# KiCad board motherboard.kicad_pcb (continued)
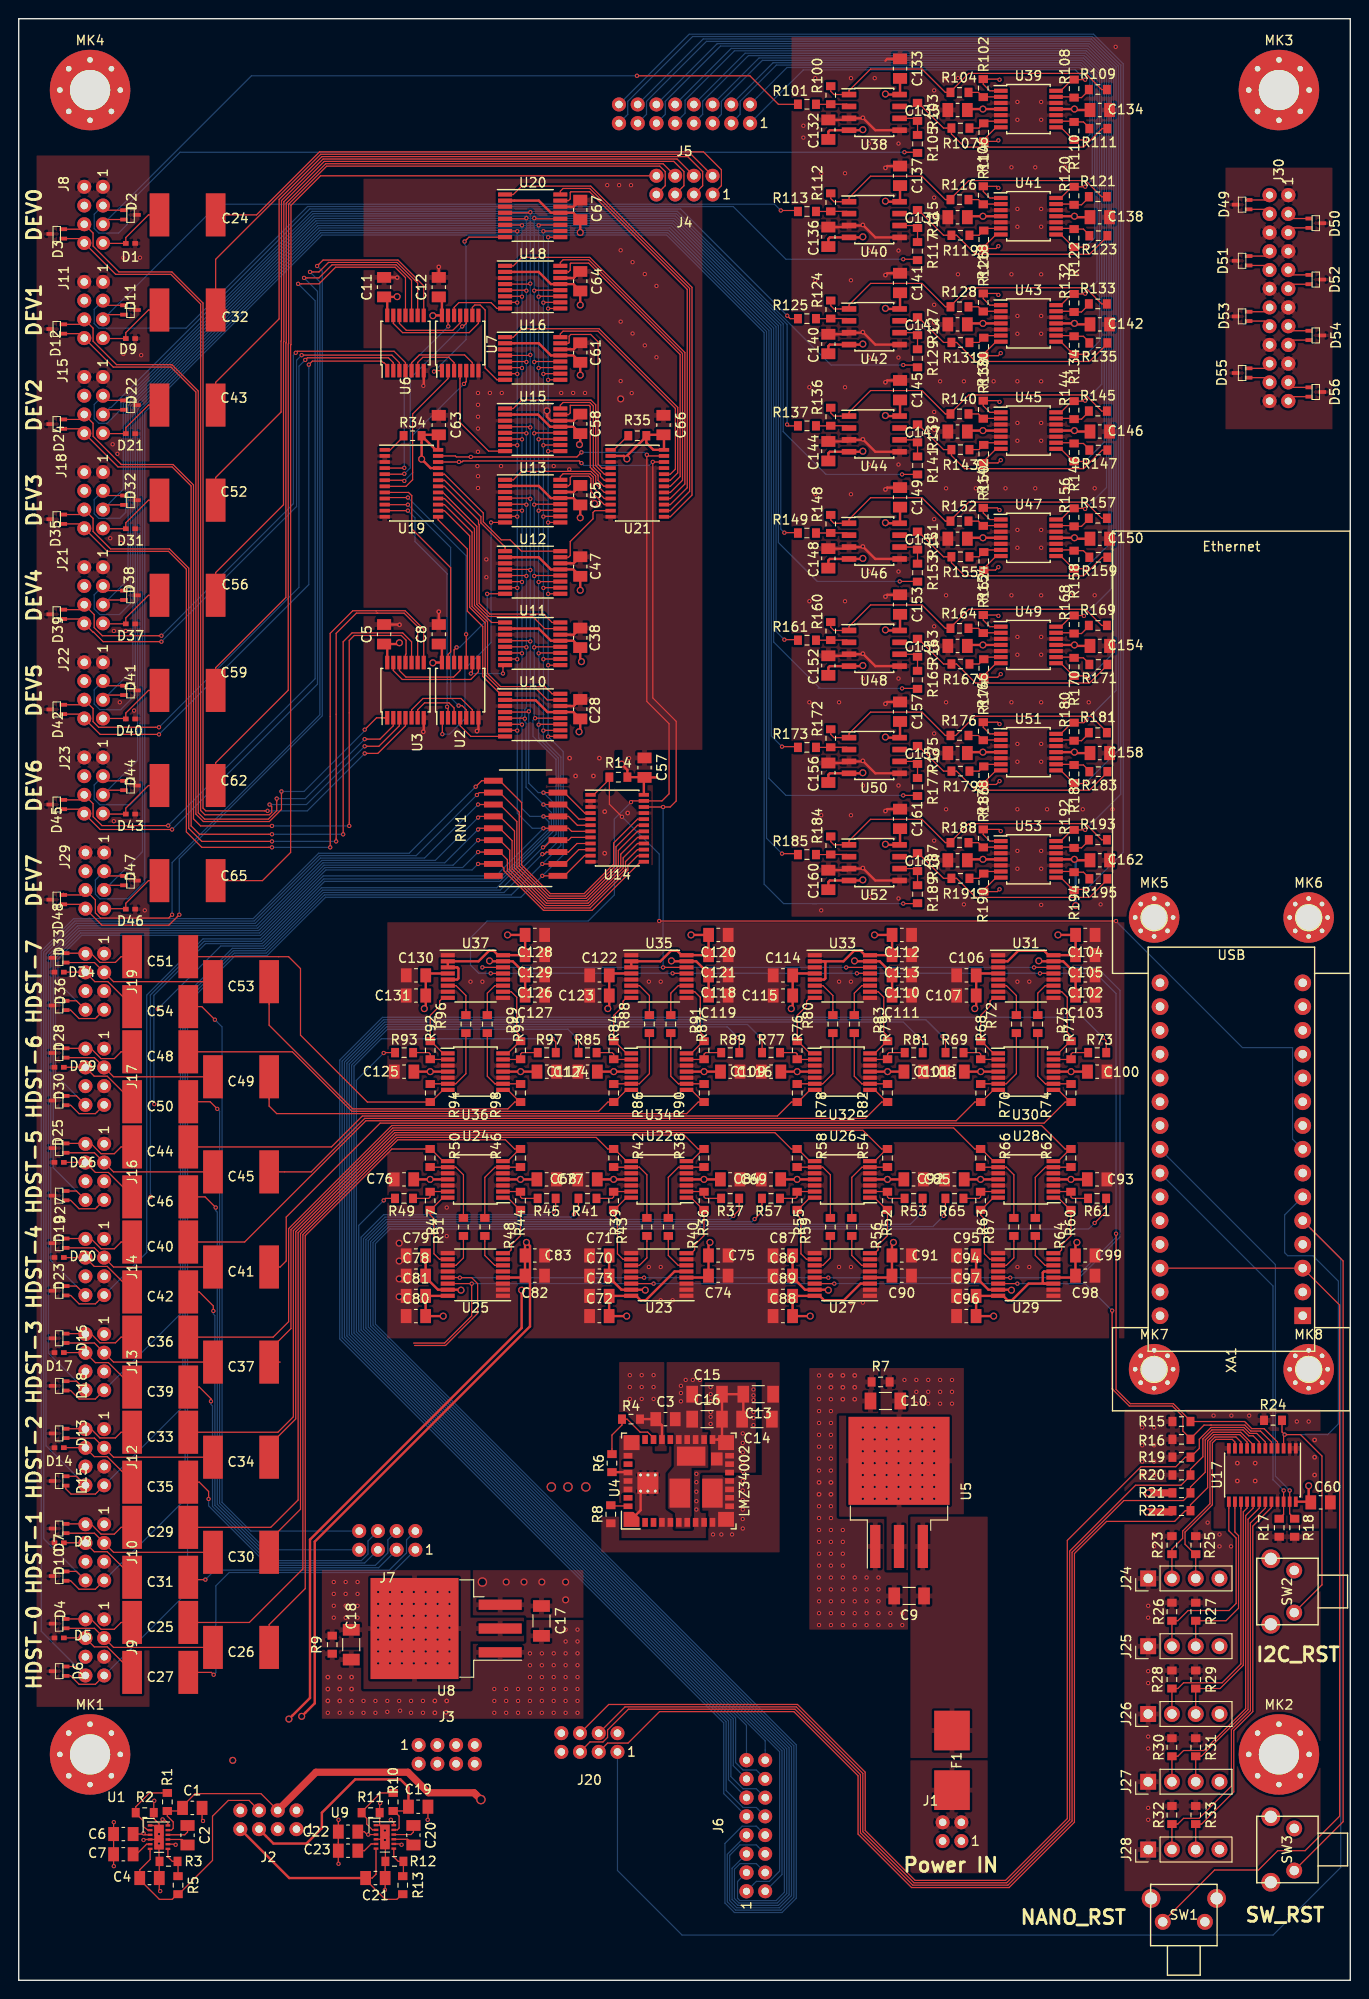
[diagram p0: board, top side]
## Routing (per net, layer and track width the routed paths; a pad name or vN(x,y) marks a point on that pad's centre or on a via; arc(x,y) is an arc through that point) (continued)
Net-(R122-Pad2): length 3.9
  Top w0.127: R123.1 114.37,186.44 113.73,187.08 R122.2 112.66,187.15 U41.9
Net-(R124-Pad1): length 34.2
  Top w0.127: R124.1 86.74,178.9 87.09,178.55 U42.1 88.7,178.98 91,181.28 96.48,181.28 98.98,178.78 R128.2 99.53,178.86 101.49,180.81 113.96,180.81 115.69,179.08 R133.2
Net-(R124-Pad2): length 3.6
  Top w0.127: R125.1 86.73,177.51 R124.2 88.46,177.52 U42.2
Net-(R126-Pad2): length 3.7
  Top w0.127: R128.1 102.53,178.78 R126.2 103.06,178.3 U43.2
Net-(R127-Pad1): length 25.2
  Top w0.127: U42.7 95.62,177.28 R127.1 96.09,177.67 98.79,174.97 R131.2 100.18,174.97 102.22,172.94 114.39,172.94 116.29,174.84 R135.2
Net-(R127-Pad2): length 3.5
  Top w0.127: U42.6 95.74,176.01 R127.2 R129.1
Net-(R130-Pad2): length 3.7
  Top w0.127: R131.1 102.58,174.97 R130.2 103.31,175.7 U43.6
Net-(R132-Pad2): length 3.9
  Top w0.127: U43.13 112.66,178.3 R132.2 113.53,178.22 114.31,179.01 R133.1
Net-(R134-Pad2): length 3.9
  Top w0.127: R135.1 114.37,174.99 113.73,175.63 R134.2 112.66,175.7 U43.9
Net-(R136-Pad1): length 34.2
  Top w0.127: R136.1 86.74,167.45 87.09,167.1 U44.1 88.7,167.53 91,169.83 96.48,169.83 98.98,167.33 R140.2 99.53,167.41 101.49,169.36 113.96,169.36 115.69,167.63 R145.2
Net-(R136-Pad2): length 3.6
  Top w0.127: U44.2 88.46,166.07 R136.2 86.73,166.06 R137.1
Net-(R138-Pad2): length 3.7
  Top w0.127: U45.2 103.06,166.85 R138.2 102.53,167.33 R140.1
Net-(R139-Pad1): length 25.5
  Top w0.127: U44.7 95.62,165.83 R139.1 96.09,166.22 98.79,163.52 R143.2 99.63,162.89 101.04,161.49 113.76,161.49 115.74,163.47 R147.2
Net-(R139-Pad2): length 3.5
  Top w0.127: U44.6 95.74,164.56 R139.2 R141.1
Net-(R142-Pad2): length 3.7
  Top w0.127: U45.6 103.31,164.25 R142.2 102.58,163.52 R143.1
Net-(R144-Pad2): length 3.9
  Top w0.127: U45.13 112.66,166.85 R144.2 113.53,166.77 114.31,167.56 R145.1
Net-(R146-Pad2): length 3.9
  Top w0.127: R147.1 114.37,163.54 113.73,164.18 R146.2 112.66,164.25 U45.9
Net-(R148-Pad1): length 34.2
  Top w0.127: R157.2 115.69,156.18 113.96,157.91 101.49,157.91 99.53,155.96 R152.2 98.98,155.88 96.48,158.38 91,158.38 88.7,156.08 U46.1 87.09,155.65 86.74,156 R148.1
Net-(R148-Pad2): length 3.6
  Top w0.127: U46.2 88.46,154.62 R148.2 86.73,154.61 R149.1
Net-(R150-Pad2): length 3.7
  Top w0.127: U47.2 103.06,155.4 R150.2 102.53,155.88 R152.1
Net-(R151-Pad1): length 25.5
  Top w0.127: R159.2 115.74,152.02 113.76,150.04 101.04,150.04 99.63,151.44 R155.2 98.79,152.07 96.09,154.77 R151.1 95.62,154.38 U46.7
Net-(R151-Pad2): length 3.5
  Top w0.127: R153.1 R151.2 95.74,153.11 U46.6
Net-(R154-Pad2): length 3.7
  Top w0.127: R155.1 102.58,152.07 R154.2 103.31,152.8 U47.6
Net-(R156-Pad2): length 3.9
  Top w0.127: U47.13 112.66,155.4 R156.2 113.53,155.32 114.31,156.11 R157.1
Net-(R158-Pad2): length 3.9
  Top w0.127: R159.1 114.37,152.09 113.73,152.73 R158.2 112.66,152.8 U47.9
Net-(R160-Pad1): length 34.2
  Top w0.127: R160.1 86.74,144.55 87.09,144.2 U48.1 88.7,144.63 91,146.93 96.48,146.93 98.98,144.43 R164.2 99.53,144.51 101.49,146.46 113.96,146.46 115.69,144.73 R169.2
Net-(R160-Pad2): length 3.6
  Top w0.127: U48.2 88.46,143.17 R160.2 86.73,143.16 R161.1
Net-(R162-Pad2): length 3.7
  Top w0.127: U49.2 103.06,143.95 R162.2 102.53,144.43 R164.1
Net-(R163-Pad1): length 25.2
  Top w0.127: R171.2 116.29,140.49 114.39,138.59 102.22,138.59 100.18,140.62 R167.2 98.79,140.62 96.09,143.32 R163.1 95.62,142.93 U48.7
Net-(R163-Pad2): length 3.5
  Top w0.127: U48.6 95.74,141.66 R163.2 R165.1
Net-(R166-Pad2): length 3.7
  Top w0.127: U49.6 103.31,141.35 R166.2 102.58,140.62 R167.1
Net-(R168-Pad2): length 3.9
  Top w0.127: R169.1 114.31,144.66 113.53,143.87 R168.2 112.66,143.95 U49.13
Net-(R170-Pad2): length 3.9
  Top w0.127: U49.9 112.66,141.35 R170.2 113.73,141.28 114.37,140.64 R171.1
Net-(R172-Pad1): length 34.2
  Top w0.127: R172.1 86.74,133.1 87.09,132.75 U50.1 88.7,133.18 91,135.48 96.48,135.48 98.98,132.98 R176.2 100.08,132.98 102.14,135.04 114.56,135.04 116.24,133.36 R181.2
Net-(R172-Pad2): length 3.6
  Top w0.127: U50.2 88.46,131.72 R172.2 86.73,131.71 R173.1
Net-(R174-Pad2): length 3.7
  Top w0.127: R176.1 102.53,132.98 R174.2 103.06,132.5 U51.2
Net-(R175-Pad1): length 25.2
  Top w0.127: U50.7 95.62,131.48 R175.1 96.09,131.87 98.79,129.17 R179.2 100.18,129.17 102.22,127.14 114.39,127.14 116.29,129.04 R183.2
Net-(R175-Pad2): length 3.5
  Top w0.127: U50.6 95.74,130.21 R175.2 R177.1
Net-(R178-Pad2): length 3.7
  Top w0.127: R179.1 102.58,129.17 R178.2 103.31,129.9 U51.6
Net-(R180-Pad2): length 3.9
  Top w0.127: R181.1 114.31,133.21 113.53,132.42 R180.2 112.66,132.5 U51.13
Net-(R182-Pad2): length 3.9
  Top w0.127: R183.1 114.37,129.19 113.73,129.83 R182.2 112.66,129.9 U51.9
Net-(R184-Pad1): length 34.2
  Top w0.127: R184.1 86.74,121.65 87.09,121.3 U52.1 88.7,121.73 91,124.03 96.48,124.03 98.98,121.53 R188.2 99.53,121.61 101.49,123.56 113.96,123.56 115.69,121.83 R193.2
Net-(R184-Pad2): length 3.6
  Top w0.127: U52.2 88.46,120.27 R184.2 86.73,120.26 R185.1
Net-(R186-Pad2): length 3.7
  Top w0.127: R188.1 102.53,121.53 R186.2 103.06,121.05 U53.2
Net-(R187-Pad1): length 25.2
  Top w0.127: R195.2 116.29,117.59 114.39,115.69 102.22,115.69 100.18,117.72 R191.2 98.79,117.72 96.09,120.42 R187.1 95.62,120.03 U52.7
Net-(R187-Pad2): length 3.5
  Top w0.127: U52.6 95.74,118.76 R187.2 R189.1
Net-(R190-Pad2): length 3.7
  Top w0.127: U53.6 103.31,118.45 R190.2 102.58,117.72 R191.1
Net-(R192-Pad2): length 3.9
  Top w0.127: R193.1 114.31,121.76 113.53,120.97 R192.2 112.66,121.05 U53.13
Net-(R194-Pad2): length 3.9
  Top w0.127: R195.1 114.37,117.74 113.73,118.38 R194.2 112.66,118.45 U53.9

## Copper pours and planes (outline as drawn; the poured copper is in the pictures)
+5V on Top: 118.11,60.96 118.11,9.53 139.06,9.53 139.06,60.96
+5V on Top: 53.98,36.19 48.26,36.19 48.26,31.12 36.83,31.12 36.83,35.56 32.38,35.56 32.38,43.81 48.26,43.81 48.26,38.74 53.98,38.74
+5V on In1.Cu: 45.09,186.69 73.03,186.69 73.03,125.1 14.6,125.1 14.6,46.99 45.09,46.99 45.09,14.61 118.11,14.61 118.11,80.01 139.06,80.01 139.06,2.54 2.54,2.54 2.54,194.95 45.09,194.95
+12V on Top: 92.71,43.81 92.71,49.53 87.63,49.53 87.63,60.33 92.08,60.33 92.08,65.41 100.97,65.41 100.97,49.53 95.25,49.53 95.25,43.81
+12V on Top: 60.32,38.74 60.32,43.81 48.26,43.81 48.26,38.74
+12V on Top: 69.22,56.52 67.94,56.52 67.94,58.42 64.13,58.42 64.13,66.04 69.22,66.04
+12V on Bottom: 87.63,49.53 87.63,65.41 100.97,65.41 100.97,49.53
+12V on In1.Cu: 104.14,113.67 33.65,113.67 33.65,64.14 48.26,64.14 48.26,68.58 109.22,68.58 109.22,38.74 48.26,38.74 48.26,57.79 21.59,57.79 21.59,119.38 91.44,119.38 91.44,202.56 104.14,202.56
-12VA on Top: 78.74,46.99 64.13,46.99 64.13,66.04 78.74,66.04
-12VA on Bottom: 85.72,202.56 115.57,202.56 115.57,113.67 85.72,113.67
-12VA on In1.Cu: 69.22,66.04 79.38,66.04 79.38,46.99 64.13,46.99 64.13,49.53 14.6,49.53 14.6,125.1 82.55,125.1 82.55,202.56 91.44,202.56 91.44,119.38 21.59,119.38 21.59,57.79 64.13,57.79 64.13,60.96 69.22,60.96 ; 1 cut-out
/Power Handling/+12V-F on Top: 103.5,49.53 95.25,49.53 95.25,23.5 103.5,23.5
/Power Handling/VIN+ on Top: 95.25,23.5 95.25,11.43 103.5,11.43 103.5,23.5
GNDREF on Top: 127.63,58.42 127.63,48.26 140.97,48.26 140.97,58.42
GNDREF on Top: 56.31,119.13 67.74,119.13 67.74,131.83 56.31,131.83
GNDREF on Top: 13.97,29.21 1.9,29.21 1.9,194.95 13.97,194.95
GNDREF on Top: 39.37,89.54 39.37,68.58 118.11,68.58 118.11,89.54
GNDREF on Top: 140.34,193.64 128.91,193.64 128.91,165.7 140.34,165.7
GNDREF on Top: 69.22,66.04 69.22,58.42 73.03,58.42 73.03,64.14 79.38,64.14 79.38,53.98 73.03,53.98 73.03,50.17 73.66,50.17 73.66,46.99 64.13,46.99 64.13,49.53 62.23,49.53 62.23,45.72 81.28,45.72 81.28,66.04
GNDREF on Top: 82.55,207.61 82.55,113.63 118.75,113.63 118.75,207.61
GNDREF on Top: 36.83,193.04 36.83,131.45 73.03,131.45 73.03,193.04
GNDREF on Top: 39.37,113.03 39.37,94.62 118.11,94.62 118.11,113.03
GNDREF on Top: 95.25,37.47 95.25,43.81 92.71,43.81 92.71,49.53 87.63,49.53 87.63,60.33 92.08,60.33 92.08,65.41 84.46,65.41 84.46,37.47
GNDREF on Top: 60.32,38.74 53.98,38.74 53.98,36.19 48.26,36.19 48.26,31.12 36.83,31.12 36.83,35.56 32.38,35.56 32.38,27.94 60.32,27.94
GNDREF on In2.Cu: 0.63,208.92 0.63,0.63 141.61,0.63 141.61,208.92
Net-(U4-Pad21) on Top: 71.88,48.26 70.1,48.26 70.1,49.91 69.34,50.42 69.34,54.1 69.98,54.86 69.98,58.55 73.66,58.55 73.66,54.74 71.88,54.74

## Text on the board
Cmts.User: oshpark specs / 4 layer board / 0.063” = 1.6mm thick / 15mil keepout distance edge of board / 5mil trace width and spacing / minimum annular ring = 4mil = 0.1016mm / minimum hole size = 10mil = 0.254mm / maximum plated hole size = 260mil = 6.604mm / via plating thickness = 1mil = 0.0254mm / FR408 core and prepreg (3.66 @ 1GHz) / solder resist (1mil, 0.0254mm) / copper (1oz = 1.4mil, 35um) / prepreg (6.7mil, 0.1702mm) / copper (0.5oz = 0.7mm, 17.5um) / core (47mil, 1.1938mm) / copper (0.5oz = 0.7mm, 17.5um) / prepreg (6.7mil, 0.1702mm) / copper (1oz = 1.4mil, 35um) / solder resist (1mil, 0.0254mm) | Use 25 mil grid for PCB outline / Use 25 mil grid for zones | B2B stacking connectors provide / 7.8mm between board faces. / Total distance between top and bottom / boards is 17.2mm=7.8mm*2 + 1.6mm
F.SilkS: Power IN | NANO_RST | SW_RST | I2C_RST | DEV0 | DEV1 | DEV2 | DEV3 | DEV4 | DEV5 | DEV6 | DEV7 | HDST-7 | HDST-6 | HDST-5 | HDST-4 | HDST-3 | HDST-2 | HDST-1 | HDST-0
